# KiCad board amix 68k (r0).kicad_pcb (continued)
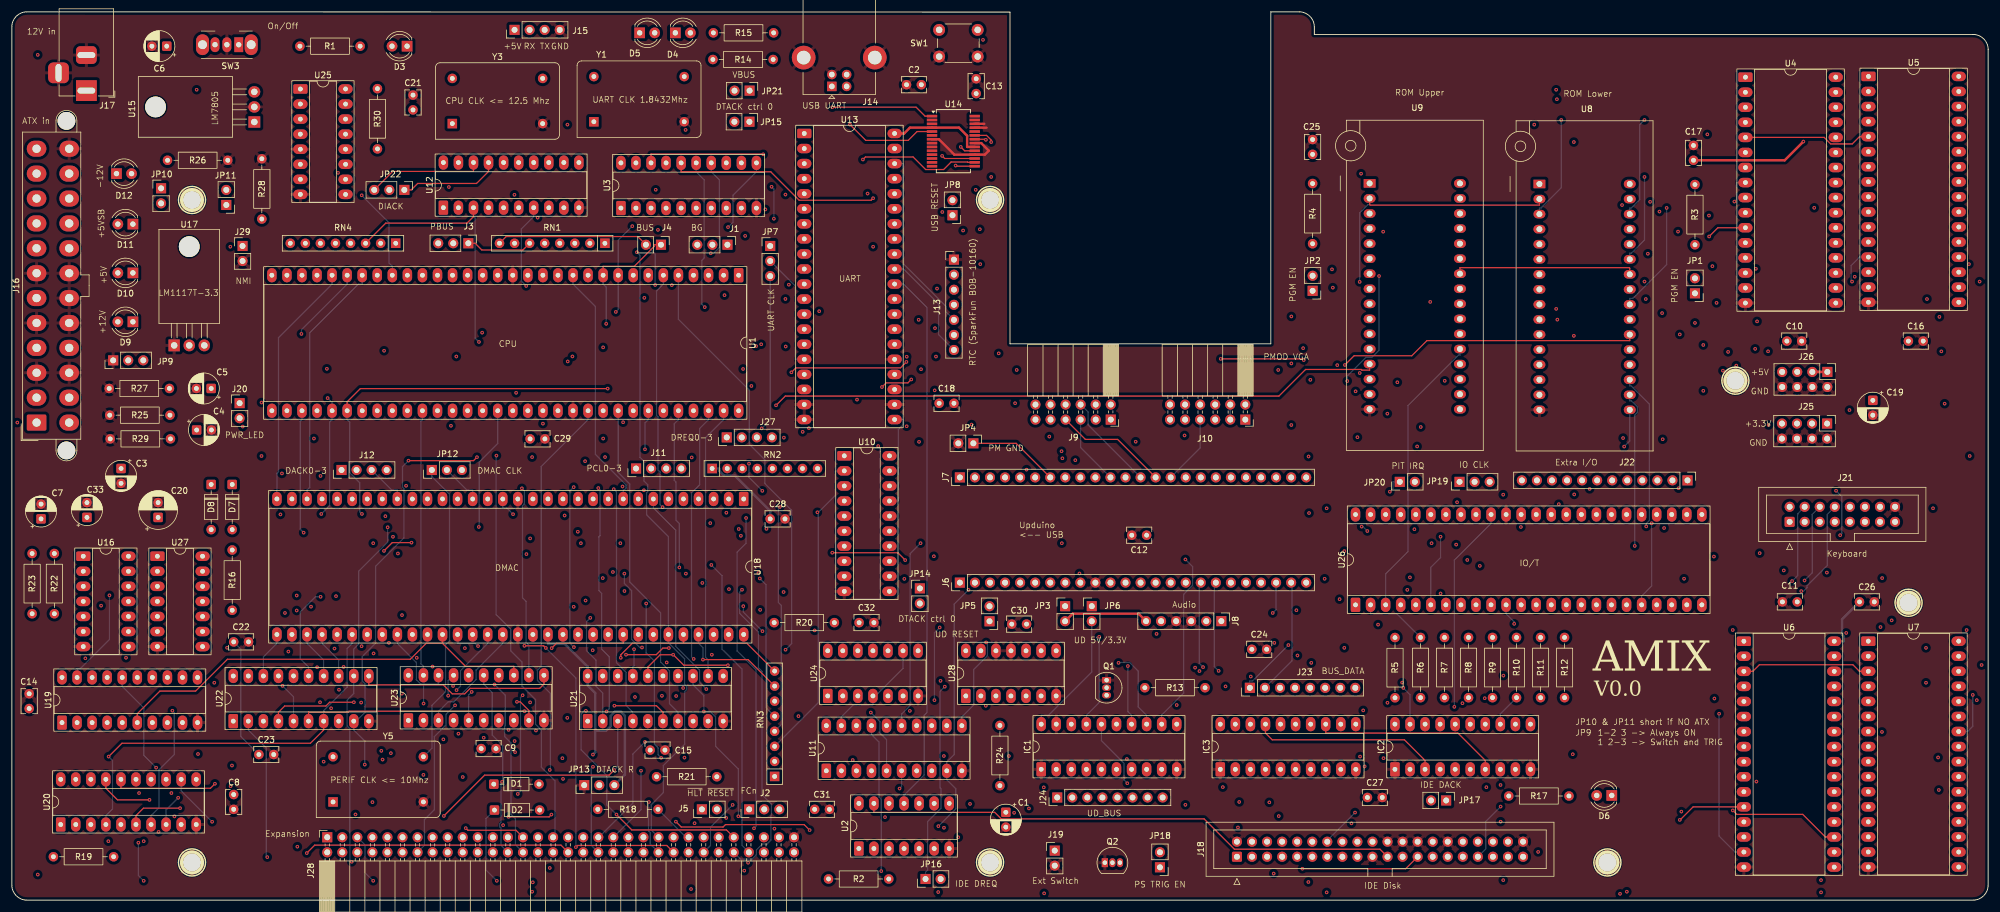
[diagram p0: board, top side]
## Routing (per net, layer and track width the routed paths; a pad name or vN(x,y) marks a point on that pad's centre or on a via; arc(x,y) is an arc through that point) (continued)
  In2.Cu w0.2: RN1.4 88.53,106.93 81.96,106.93 U1.17 ; D1.2 91.05,17.44 113.12,17.44 115.24,15.32 J5.1
~{IACK}: length 19.5
  Top w0.2: U12.18 77.87,122.94 64.25,122.94 JP22.3
~{IDE0_CS}: length 135.1
  In1.Cu w0.2: J18.37 252.38,4.18 v1(251.57,3.37)
  In2.Cu w0.2: v1(251.57,3.37) 251.57,3.38 219.24,3.38 218.96,3.66 173.64,3.66 173.61,3.62 163.88,3.62 162.6,4.9 v1(146.66,4.9)
  Bottom w0.2: U11.17 145.01,27.94 146.28,26.67 146.28,17.42 146.66,17.04 v1(146.66,4.9)
~{IDE_IRQ}: length 317.2
  Top w0.2: RN4.3 63.07,114.22 76.77,114.22 77.87,115.32 U12.3
  In1.Cu w0.2: v1(153.03,77.32) 155.53,74.83 v1(155.53,58.01) ; RN4.3 54.38,116.11 54.38,126.28 54.79,126.69 U25.12 ; v1(125.55,93.47) 125.55,85.36 130.23,80.68 v1(130.23,78.03) ; J18.31 246.03,8.59 246.03,10.49 247.14,11.6 247.14,45.4 245.86,46.67 245.86,56.77 246.12,57.03 246.12,57.63 243.77,59.98 v1(243.64,59.98)
  In2.Cu w0.2: v1(243.64,59.98) 241.05,59.98 240.17,60.87 239.04,60.87 236.29,58.12 155.63,58.12 v1(155.53,58.01) ; v1(130.23,78.03) 130.93,77.32 v1(153.03,77.32) ; v1(78.79,94.17) 79.05,93.92 125.1,93.92 v1(125.55,93.47)
  Bottom w0.2: U12.3 77.87,115.32 78.15,115.04 78.15,94.81 v1(78.79,94.17)
~{IO_R}: length 113
  Top w0.2: v1(217.7,5.3) 235.12,5.3 J18.25
  In1.Cu w0.2: U24.5 147.79,32.95 153.16,32.95 155.17,30.94 U11.13 155.17,27.94 156.44,26.67 156.44,19.07 156.73,18.79 156.73,12.9 157.23,12.39 v1(157.23,12.21)
  In2.Cu w0.2: v1(157.23,12.21) 163.81,12.21 168.82,7.2 180.34,7.2 180.5,7.37 192.52,7.37 193.17,6.72 200.15,6.72 201.57,5.3 v1(217.7,5.3)
~{IO_W}: length 160.2
  In1.Cu w0.2: U24.10 147.79,43.57 150.79,43.57 151.51,42.85 151.51,41.29 156.54,36.27 156.77,36.27 157.26,36.76 157.26,42.16 149.95,49.47 149.95,54.45 150.31,54.81 150.8,54.81 151.16,54.45 151.16,50 158.11,43.04 158.11,31.35 157.71,30.94 U11.12 ; v1(231.38,23.94) 231.38,20.35 233.21,18.52 233.21,8.71 J18.23
  In2.Cu w0.2: v1(231.38,23.94) 229.37,25.95 159.7,25.95 157.71,27.94 U11.12
~{IPL0}: length 15.9
  In1.Cu w0.2: U25.9 56.29,116.11 60.94,111.46 60.94,107.63 61.64,106.93 U1.25
~{IPL1}: length 27.1
  In2.Cu w0.2: v1(59.01,118.91) 57.67,120.25 51.53,120.25 50.17,121.61 U25.7
  Bottom w0.2: v1(59.01,118.91) 63.62,114.3 63.62,107.49 64.18,106.93 U1.24
~{IPL2}: length 30.5
  In1.Cu w0.2: U1.23 66.72,106.93 66.53,106.93 63.62,109.84 63.62,111.26 58.41,116.47 58.41,121.56 57.23,122.74 55.06,122.74 v1(55.02,122.7)
  In2.Cu w0.2: v1(55.02,122.7) 51.62,122.7 50.17,124.15 U25.6
~{IRQ_5}: length 210
  In1.Cu w0.2: v1(122.97,61.47) 122.97,52.57 v1(123.17,52.37) ; v1(53.14,89.64) 55.14,91.65 55.14,107.73 RN4.6 52.05,132.43 50.17,134.31 U25.2 ; v1(93.77,90.88) 93.54,90.65 93.54,81.6 94.17,80.97 94.17,63.44 v1(95.46,62.15)
  In2.Cu w0.2: v1(53.14,89.64) 54.38,90.88 v1(93.77,90.88) ; v1(95.46,62.15) 95.69,61.92 122.52,61.92 v1(122.97,61.47)
  Bottom w0.2: v1(123.17,52.37) 122.76,51.97 122.76,48.41 125.94,45.23 125.94,39.2 126.56,38.58 126.56,17.78 128.11,16.23 128.11,14.25 128.03,14.17 128.03,10.13 127.36,9.46 126.6,9.46 125.59,8.45 125.59,7.63 124.87,6.91 122.93,6.91 J28.56
~{IRQ_6}: length 188.9
  In1.Cu w0.2: v1(60.96,60.22) 58.45,62.72 58.45,65.4 58.54,65.49 58.54,68.58 55.98,71.13 54.87,71.13 52.66,73.34 52.66,89.27 52.54,89.39 52.54,89.89 52.66,90.02 52.66,107.67 RN4.7 50.59,111.9 50.59,131.35 50.17,131.77 U25.3
  In2.Cu w0.2: v1(60.96,60.22) 62.32,60.22 65.81,56.73 117.82,56.73 v1(118,56.55)
  Bottom w0.2: v1(118,56.55) 119.81,54.74 119.81,42.34 123.17,38.98 123.17,9.22 J28.58
~{IRQ_7}: length 30.3
  In1.Cu w0.2: U25.4 50.17,129.23 50.17,128.73 49.23,127.79 47.81,127.79 46.97,126.95 RN4.8
  In2.Cu w0.2: RN4.8 46.51,110.36 J29.1
~{IRQ_PIT}: length 256.5
  Top w0.2: v1(217.93,91.12) 217.73,91.31 v1(203.92,91.31)
  In1.Cu w0.2: v1(217.93,91.12) 217.84,91.03 217.84,75.75 v1(218.74,74.85) ; v1(62.79,92.69) 57.83,97.65 57.83,107.58 RN4.5 53,112.41 53,132.52 U25.1
  In2.Cu w0.2: v1(62.79,92.69) 63.06,92.42 153.78,92.42 155.15,91.06 168.56,91.06 168.75,91.25 170.25,91.25 170.45,91.06 203.66,91.06 v1(203.92,91.31) ; U25.1 49.78,135.74 60.51,135.74 R30.1 ; JP20.2 232.39,74.85 v1(218.74,74.85)
~{IRQ_UART}: length 253.9
  In1.Cu w0.2: U2.10 153.04,17.82 152.08,17.82 148.99,20.91 148.99,25.99 146.41,28.57 146.41,32.24 146.54,32.37 146.54,47.68 144.63,49.59 144.63,118.93 v1(144.35,119.2)
  In2.Cu w0.2: v1(144.35,119.2) 143.27,120.28 128.75,120.28 ; 128.75,120.28 128.75,120.6 128.1,121.25 60.69,121.25 57.79,124.15 U25.11 ; 128.75,120.28 128.75,120.1 128.4,119.75 109.56,119.75 108.86,120.45 108.36,120.45 107.96,120.05 77.06,120.05 75.33,118.32 U12.2
~{IRQX}: length 223.5
  In1.Cu w0.2: v1(156.65,37) 156.65,42.11 149.55,49.22 149.55,55.16 148.8,55.91 147.3,55.91 145.28,57.93 v1(145.28,110.24) ; RN4.2 57.79,115.24 57.79,121.61 U25.10 ; U12.1 73.72,117.75 v1(73.72,120.31)
  In2.Cu w0.2: v1(128.15,120.35) 127.65,120.85 74.26,120.85 v1(73.72,120.31) ; v1(128.54,114.96) 130.67,112.83 142.69,112.83 v1(145.28,110.24) ; Q1.3 178.24,34.57 175.81,37 v1(156.65,37) ; U25.10 57.79,121.61 57.79,121.5 62.47,116.82 U12.1
  Bottom w0.2: v1(128.54,114.96) 128.54,119.96 v1(128.15,120.35)
~{LDS}: length 221.2
  In1.Cu w0.2: v1(108.99,113.08) 108.23,112.32 108.23,110.21 104.96,106.93 104.82,106.93 U1.8 104.82,104.16 91,90.34 91,79.81 92.97,77.84 U18.13 92.97,65.17 v1(93.24,64.89) ; v1(113.46,24.04) 113.46,13.78 111.95,12.26 111.57,12.26 110.47,11.16 110.47,10.31 109.61,9.46 105.15,9.46 J28.41
  In2.Cu w0.2: v1(113.46,24.04) 126.76,24.04 RN3.3 140.4,25.95 142.47,23.88 U11.3 ; v1(108.99,113.08) 118.34,113.08 120.52,115.26 U3.8 ; v1(93.24,64.89) 93.4,64.73 122.7,64.73 123.44,65.47 135.85,65.47 v1(135.89,65.43)
  Bottom w0.2: 136.03,65.43 138.92,68.32 138.92,72.42 U10.2 ; 136.03,65.43 136.03,33.31 RN3.3 ; 136.03,65.43 v1(135.89,65.43)
~{PGM_L}: length 20.3
  In1.Cu w0.2: U8.31 274.22,118.28 274.36,118.42 276.65,118.42 283.92,111.15 R3.1 283.92,104.91
~{PGM_U}: length 33.5
  In1.Cu w0.2: JP2.2 R4.1
  In2.Cu w0.2: R4.1 226.04,117.36 244.28,117.36 244.28,117.87
~{PPI_CS}: length 127.9
  In2.Cu w0.2: v1(153.29,60.22) 153.91,59.6 228.3,59.6 232.95,64.25 232.95,65.69 233.84,66.58 242.92,66.58 U26.41
  Bottom w0.2: U11.15 150.09,31.39 151.53,32.83 151.53,58.46 v1(153.29,60.22)
~{PS_ON}: length 10.8
  In2.Cu w0.2: J16.16 17.53,93.17 JP9.2
~{RAM0_L_CS}: length 265.1
  In1.Cu w0.2: v1(213.62,89.44) 213.62,82.37 v1(215.83,80.16) ; U3.19 105.28,122.88 105.58,122.88 v1(108.61,119.85) ; v1(163.28,113.18) 164.27,112.2 164.27,93.47 168.29,89.44 v1(169.5,89.44) ; U4.22 306.17,113.44 295.64,102.91 295.64,80.85 v1(296.34,80.16)
  In2.Cu w0.2: v1(213.62,89.44) 213.47,89.29 169.65,89.29 v1(169.5,89.44) ; v1(108.61,119.85) 109.81,118.65 128.44,118.65 129.32,117.77 153.2,117.77 154.15,116.81 159.65,116.81 v1(163.28,113.18) ; v1(296.34,80.16) 296.07,80.42 216.1,80.42 v1(215.83,80.16)
~{RAM0_U_CS}: length 274
  Top w0.2: v1(126.75,125.83) 126.69,125.88 107.82,125.88 U3.18
  In1.Cu w0.2: v1(166.47,92.25) 166.47,94.91 165.27,96.11 165.27,115.79 165.98,115.79 167.34,117.15 167.34,119.09 165.98,120.45 165.27,120.45 165.27,121.94 v1(165.2,122.01) ; v1(325.16,98.41) 325.16,111.81 326.92,113.57 U5.22
  In2.Cu w0.2: v1(325.16,98.41) 322.28,95.53 284.92,95.53 283.78,94.4 265.29,94.4 263.89,95.8 263.24,95.8 259.25,91.81 226.15,91.81 225.44,92.52 217.34,92.52 217.11,92.28 ; v1(126.75,125.83) 126.95,125.63 150.31,125.63 151.41,124.53 162.68,124.53 v1(165.2,122.01) ; v1(166.47,92.25) 167.55,92.25 170.39,92.24 170.66,91.97 203.16,91.97 203.27,92.08 203.5,92.32 203.67,92.32 204,92.32 204.34,92.32 204.34,92.32 204.41,92.24 217.07,92.24 ; 217.11,92.28 217.07,92.24 ; 217.11,92.28 217.07,92.24
~{RAM1_L_CS}: length 301.4
  In1.Cu w0.2: v1(171.57,15.47) 171.57,17.8 164.89,24.47 164.89,33.04 164.89,33.04 164.89,43.17 166.19,44.47 166.19,88.83 162.59,92.43 v1(162.59,119.84)
  In2.Cu w0.2: U3.17 110.36,122.88 159.56,122.88 v1(162.59,119.84) ; U6.22 294.27,18.28 292.86,16.87 290.03,16.87 288.7,15.54 281.38,15.54 281.02,15.18 227.03,15.18 226.83,15.38 171.66,15.38 v1(171.57,15.47)
~{RAM1_U_CS}: length 308.1
  Top w0.2: U3.16 112.9,122.88 128.01,122.88 132.81,118.08 144.94,118.08 v1(145.28,118.42)
  In1.Cu w0.2: v1(325.06,18.59) 324.08,19.57 v1(324.08,66.1) ; v1(226.98,78.09) 226.67,78.4 v1(226.67,85.84) ; v1(145.28,118.42) 147.21,116.49 147.21,103.66 148.09,102.78 149.49,102.78 150.41,101.86 150.41,96.96 155.28,92.09 155.28,86.39 v1(155.67,86)
  In2.Cu w0.2: v1(155.67,86) 166.1,86 168.91,83.19 169.69,83.19 172.34,85.84 v1(226.67,85.84) ; v1(325.06,18.59) 326.6,18.59 326.9,18.29 U7.22 ; v1(226.98,78.09) 227.72,77.35 275.99,77.35 279.8,73.53 316.65,73.53 v1(324.08,66.1)
~{RD_L}: length 298.6
  In1.Cu w0.2: v1(263.31,24.61) 263.14,24.78 263.14,41.32 258.35,46.11 258.35,60.07 254.87,63.56 254.09,63.56 253.4,64.24 253.4,66.58 v1(251.57,68.41) 251.57,93.67 257.14,99.23 259.99,99.23 v1(260.51,99.75)
  In2.Cu w0.2: v1(263.31,24.61) 265.68,22.24 293.36,22.24 294.49,23.36 U6.24 ; U8.24 272.17,99.75 v1(260.51,99.75) ; U4.24 295.7,118.52 294.51,117.33 291.75,117.33 291.2,116.78 v1(279.14,116.78) ; U10.19 149.54,72.42 149.59,72.47 160.89,72.47 161.07,72.29 161.07,71.08 163.84,68.3 251.47,68.3 v1(251.57,68.41)
  Bottom w0.2: v1(279.14,116.78) 279.14,107.21 273.45,101.52 272.92,101.52 U8.24
~{RD_U}: length 319.3
  In1.Cu w0.2: 244.28,100.34 U9.24 ; v1(237.05,76.54) 237.05,92.62 244.01,99.58 244.28,99.58 244.28,100.09 ; v1(324.93,24.07) 324.93,66.1 324.55,66.48 324.55,99.91 v1(323.06,101.41) 323.06,114.79 326.92,118.65 U5.24
  In2.Cu w0.2: v1(323.06,101.41) 322.42,102.05 306.06,102.05 303.6,99.59 284.17,99.59 283.69,100.08 275.07,100.08 273.62,101.52 272.22,101.52 271.05,100.35 260.26,100.35 259.37,99.46 244.39,99.46 244.28,99.58 244.28,100.09 ; U9.24 244.28,100.34 ; U7.24 325.63,23.37 v1(324.93,24.07) ; 244.28,100.09 244.28,100.34 ; 244.28,100.09 244.28,100.34 ; U13.21 150.66,81.08 152.52,79.22 172.76,79.22 175.23,76.74 236.85,76.74 v1(237.05,76.54)
  Bottom w0.2: U13.21 150.41,81.08 150.41,80.27 149.54,79.4 149.54,67.34 U10.17
~{RESET}: length 419.7
  In1.Cu w0.2: v1(196.49,32.92) 196.49,28.95 196.5,28.94 ; v1(161.63,16.24) 161.84,16.45 161.84,31.19 159.55,33.48 159.55,51.8 158.46,52.89 158.46,78.54 161.08,81.16 161.08,114.29 159.82,115.54 JP8.1 ; IC1.11 196.5,28.94 ; 196.5,28.94 196.5,28.19 197.96,26.72 v1(197.96,16.08) 206.66,7.39 J18.1 ; J5.2 119.24,15.01 J28.53
  In2.Cu w0.2: D2.2 91.11,15.2 92.12,14.19 100.89,14.19 101.74,15.04 102.24,15.04 103.11,14.17 117.78,14.17 J5.2 122.08,18.46 149.26,18.46 149.9,17.82 155.58,17.82 ; U2.9 155.58,17.82 ; 155.58,17.82 160.04,17.82 v1(161.63,16.24) 161.78,16.08 v1(197.96,16.08) ; v1(243.33,32.61) 196.8,32.61 v1(196.49,32.92) ; U1.18 79.42,106.93 80.46,107.97 87.03,107.97 RN1.5 91.54,112.48 123.26,112.48 123.45,112.67 123.46,112.67 126.36,115.56 128.79,115.56 128.98,115.37 157.34,115.37 157.52,115.54 JP8.1
  Bottom w0.2: v1(243.33,32.61) 243.33,57.37 249.52,63.56 U26.39
~{ROM_L_CS}: length 190.9
  Top w0.2: v1(224.87,90.29) 226.43,91.85 236.16,91.85 238.7,94.4 272.92,94.4 U8.22
  In1.Cu w0.2: v1(155.89,91.71) 155.89,94.99 v1(152.97,97.91)
  In2.Cu w0.2: v1(224.87,90.29) 223.04,92.12 217.51,92.12 216.96,91.57 204.96,91.57 204.87,91.66 204.43,91.66 204.17,91.92 203.67,91.92 203.33,91.57 170.5,91.57 170.42,91.65 168.59,91.65 168.55,91.62 155.97,91.62 v1(155.89,91.71) ; v1(152.97,97.91) 152.8,97.74 119.19,97.74 v1(116.88,100.04)
  Bottom w0.2: v1(116.88,100.04) 116.39,100.54 116.39,107.93 116.78,108.32 116.78,121.54 115.44,122.88 U3.15
~{ROM_U_CS}: length 172.8
  In1.Cu w0.2: v1(241.71,87.62) 241.71,92.95 243.87,95.11 ; v1(163.36,107.3) 163.36,93.78 169.23,87.91 v1(169.23,83.83) ; 243.87,95.11 U9.22 243.87,95.11
  In2.Cu w0.2: v1(117.89,109.13) 130.28,109.13 131.52,107.89 153.08,107.89 154.06,106.91 162.97,106.91 v1(163.36,107.3) ; v1(241.71,87.62) 240.53,86.44 171.84,86.44 v1(169.23,83.83)
  Bottom w0.2: U3.14 117.98,122.88 119.36,121.5 119.36,110.11 118.37,109.13 v1(117.89,109.13)
~{UART_CS}: length 78.7
  In1.Cu w0.2: U11.18 142.47,30.94 141.54,31.87 141.54,45.59 139.21,47.93 138.29,47.93 137,46.63 137,46.2 135.7,44.9 135.14,44.9 134.77,45.28 134.77,79.08 135.17,79.49 135.17,96.32 U13.14
~{UDS}: length 209.9
  In1.Cu w0.2: 143.89,23.64 v1(141.84,23.64) ; 143.89,23.64 143.89,33.44 144.09,33.64 144.09,67.71 141.92,69.88 U10.3 ; 143.89,23.64 144.21,23.32 145.01,23.32 U11.4 ; U3.9 123.06,115.26 117.19,115.26 108.86,106.93 107.36,106.93 U1.7 107.36,85 106.09,83.73 106.09,80.92 103.01,77.85 v1(103.01,69.78)
  In2.Cu w0.2: v1(141.84,23.64) 128.9,23.64 RN3.2 107.7,23.41 v1(106.13,21.83) ; U10.3 138.92,69.88 138.74,70.06 103.29,70.06 v1(103.01,69.78) 102.68,70.12 96.45,70.12 95.51,69.18 U18.12
  Bottom w0.2: v1(106.13,21.83) 106.13,15.28 J28.39
~{VMA}: length 147.7
  Top w0.2: J3.1 78.15,110.82 79.28,109.69 86.21,109.69 RN1.6 ; v1(86.46,42.91) 89.72,42.91 v1(90.07,42.55) ; J28.48 110.47,9.22 95.41,9.22 v1(95.14,8.95)
  In1.Cu w0.2: J3.1 77,109.67 76.88,109.55 ; v1(86.46,42.91) 85.3,42.91 84.22,43.99 84.22,47.34 76.6,54.96 76.6,71.39 77.08,71.87 77.08,76.31 75.69,77.7 75.69,110.25 75.78,110.34 76.09,110.34 76.88,109.55 ; 76.88,109.55 U1.19
  Bottom w0.2: v1(90.07,42.55) 95.14,37.48 v1(95.14,8.95)
~{VPA}: length 34.3
  In1.Cu w0.2: U12.19 75.33,121.07 74.12,119.86 74.12,113.02 J3.3 71.8,110.7 U1.21
  In2.Cu w0.2: RN1.7 83.62,112 73.1,112 J3.3
~{WR_L}: length 281.5
  In1.Cu w0.2: U6.29 308.91,36.06 308.91,44.34 308.41,44.84 v1(308.41,61.57) ; v1(286,129.19) 285.07,128.26 285.07,104.39 284.21,103.53 283.92,103.53 JP1.1 283.92,101.22 280.73,98.03 280.73,93.94 281.33,93.34 281.33,69.67 v1(281.15,69.49)
  In2.Cu w0.2: v1(307.72,69.07) 307.3,69.49 v1(281.15,69.49) 279.45,67.79 162.01,67.79 159.92,69.88 U10.18 ; U4.29 306.17,131.22 304.9,129.95 286.76,129.95 v1(286,129.19)
  Bottom w0.2: v1(308.41,61.57) 308.69,61.84 308.69,68.1 v1(307.72,69.07)
~{WR_U}: length 357.1
  Top w0.2: v1(146.78,86.56) 147.47,87.26 151.14,87.26 v1(151.72,87.84)
  In1.Cu w0.2: v1(146.78,86.56) 146.78,76.4 146.54,76.16 146.54,64.8 U10.16 ; v1(322.89,36.68) 323.6,37.39 323.6,65.73 323.47,65.85 323.47,66.35 323.6,66.48 323.6,99.96 322.43,101.13 322.43,126.86 326.92,131.35 U5.29 ; v1(219.04,87.78) 219.42,88.16 JP2.1 219.42,103.95 219.69,103.95 221,105.26 221,115.96 v1(227.6,122.56)
  In2.Cu w0.2: v1(151.72,87.84) 218.99,87.84 v1(219.04,87.78) ; v1(227.6,122.56) 230.98,125.94 290.03,125.94 291.5,127.41 293.67,127.41 294.94,128.68 305.3,128.68 306.61,129.99 325.56,129.99 326.92,131.35 U5.29 ; U7.29 326.9,36.07 326.29,36.68 v1(322.89,36.68) ; U13.18 135.17,86.16 135.58,86.56 v1(146.78,86.56)
Net-(C1-Pad1): length 174.1
  In1.Cu w0.2: SW1.1 161.56,145.46 161.56,92.8 163.66,90.71 163.66,46.22 162.32,44.88 162.32,20.17 C1.1 ; R2.1 147.96,3.61 U2.3 147.96,10.2 147.29,10.87 v1(147.29,14)
  In2.Cu w0.2: v1(147.29,14) 148.11,14.82 167.67,14.82 C1.1 ; SW1.1 SW1.1
Net-(D1-K): length 85.7
  In1.Cu w0.2: D1.1 81.41,19.46 D2.1
  In2.Cu w0.2: v1(81.81,3.26) 82.15,3.6 129.1,3.6 135.7,10.2 145.42,10.2 145.42,10.2 U2.2
  Bottom w0.2: D2.1 79.97,13.76 79.97,5.1 v1(81.81,3.26)
Net-(D3-A): length 5.4
  In2.Cu w0.2: D3.2 R1.2
Net-(D4-A): length 6.1
  In1.Cu w0.2: D4.2 114.46,145.62 R14.1
Net-(D4-K): length 74
  Top w0.2: U14.23 164.41,129.02 165.2,128.23 v1(165.2,127.89)
  In1.Cu w0.2: v1(113.65,129.94) 113.16,129.94 111.92,131.18 D4.1
  In2.Cu w0.2: v1(165.2,127.89) 165.2,128.23 164.56,128.87 159.67,128.87 159.02,128.22 115.37,128.22 v1(113.65,129.94)
Net-(D5-A): length 10.9
  In2.Cu w0.2: R15.1 117.11,147.55 109.67,147.55 D5.2
Net-(D5-K): length 77.6
  Top w0.2: v1(164.31,128.27) 164.21,128.37 U14.22
  In1.Cu w0.2: v1(164.31,128.27) 164.31,144.64 v1(163.82,145.14)
  In2.Cu w0.2: D5.1 107.1,146.32 107.1,145.94 107.93,145.12 163.8,145.12 v1(163.82,145.14)
Net-(D6-A): length 4.7
  In2.Cu w0.2: R17.1 262.76,17.66 267.34,17.66
Net-(D7-A): length 52.7
  In1.Cu w0.2: D7.2 R16.2
  In2.Cu w0.2: D7.2 33.98,65.69 6.3,65.69 C7.1 ; R16.2 34.85,56.75 29.86,56.75 26.05,52.94 U27.3
Net-(D8-A): length 38
  In1.Cu w0.2: R23.2 9.51,64.57 C33.1
  In2.Cu w0.2: 24.55,62.27 U27.1 ; 24.55,62.27 14.97,62.27 C33.1 ; 24.55,62.27 24.79,62.51 D8.2
Net-(D9-K): length 18.3
  In1.Cu w0.2: R25.1 24.79,83.7 24.79,92 20.42,96.37 D9.1
Net-(D10-K): length 22.1
  In1.Cu w0.2: R27.1 26.58,90.9 21.62,95.86 21.62,103.42 20.42,104.62 D10.1
Net-(D11-K): length 22.1
  In2.Cu w0.2: R28.1 41.31,114.05 D11.1
Net-(D12-A): length 7
  In2.Cu w0.2: D12.2 24.01,122.57 R26.1
Net-(IC2-B0): length 7.8
  In1.Cu w0.2: IC2.18 238.39,31.19 235.44,34.14 R5.1
Net-(IC2-B1): length 6
  In1.Cu w0.2: R6.1 240.59,31.19 240.93,31.19 IC2.17
Net-(IC2-B2): length 5.2
  In1.Cu w0.2: R7.1 241.67,32.99 243.47,31.19 IC2.16
Net-(IC2-B3): length 4.6
  In1.Cu w0.2: R8.1 246.01,33.87 IC2.15
Net-(IC2-B4): length 5
  In1.Cu w0.2: R9.1 248.55,32.94 IC2.14
Net-(IC2-B5): length 5.6
  Bottom w0.2: IC2.13 251.09,31.43 R10.1
Net-(IC2-B6): length 7
  In1.Cu w0.2: IC2.12 253.63,31.19 254.9,31.19 R11.1
Net-(IC2-B7): length 8.5
  In1.Cu w0.2: R12.1 258.95,31.19 256.17,31.19 IC2.11
Net-(J14-VBUS): length 14.2
  In2.Cu w0.2: JP21.1 136.51,136.57 137.22,137.28 J14.1
Net-(J18-Pin_21): length 91.2
  Top w0.2: U2.13 145.42,14.82 165.79,14.82 166.89,13.72 201.1,13.72 206.23,8.59 230.79,8.59 J18.21
Net-(J18-Pin_29): length 10.4
  In1.Cu w0.2: JP17.1 241.94,15.67 241.01,14.74 241.01,8.53 J18.29
Net-(J19-Pin_1): length 369.7
  In1.Cu w0.2: v1(4.37,142.61) 1.67,139.91 1.67,123.31 1.2,122.84 1.2,89.06 1.2,88.72 1.67,88.25 1.67,50.07 R23.1 ; J19.1 175.92,7.21 175.63,7.21 174.14,5.71 v1(174.14,1.14) ; v1(21.34,9.69) 19.5,9.69 17.2,11.98 17.2,39.64 12.62,44.22 11.03,44.22 7.17,48.07 R22.2
  In2.Cu w0.2: JP18.2 193.39,8.36 J19.1 ; v1(4.37,142.61) 8.36,142.61 10.21,140.75 36.25,140.75 38.27,142.77 SW3.1 ; v1(22.24,3.26) 24.77,0.74 173.73,0.74 v1(174.14,1.14) ; R23.1 R22.2
  Bottom w0.2: v1(21.34,9.69) 21.34,4.16 v1(22.24,3.26)
Net-(J20-Pin_1): length 14.2
  In2.Cu w0.2: R29.1 32.77,83.84 J20.1
Net-(J22-Pin_1): length 45
  In1.Cu w0.2: J22.1 282.66,69.67 281.43,68.44 281.43,63.25 282.08,62.6 v1(282.08,54.23)
  In2.Cu w0.2: U26.13 257.14,51.32 260.04,54.23 v1(282.08,54.23)
Net-(J22-Pin_2): length 37.8
  In1.Cu w0.2: v1(263.55,68.45) 263.55,55.19 259.68,51.32 U26.14
  In2.Cu w0.2: J22.2 277.75,68.45 v1(263.55,68.45)
Net-(J22-Pin_3): length 33.2
  In1.Cu w0.2: v1(266.15,69.38) 266.15,55.25 262.22,51.32 U26.15
  In2.Cu w0.2: J22.3 276.14,69.38 v1(266.15,69.38)
Net-(J22-Pin_4): length 25.3
  In1.Cu w0.2: J22.4 273.65,69.43 273.65,60.5 264.76,51.61 U26.16
Net-(J22-Pin_5): length 5.8
  In1.Cu w0.2: U26.30 272.38,70.7 J22.5
Net-(J22-Pin_6): length 5.8
  In1.Cu w0.2: J22.6 269.96,66.68 269.84,66.56 U26.31
Net-(J22-Pin_7): length 5.8
  In1.Cu w0.2: U26.32 267.3,70.7 J22.7
Net-(J22-Pin_8): length 42.1
  In1.Cu w0.2: J22.8 264.76,70.7 U26.33
  In2.Cu w0.2: J22.8 263.26,69.2 249.03,69.2 248.74,68.9 v1(232.45,68.9)
  Bottom w0.2: v1(232.45,68.9) 232.98,69.44 232.98,70.57 JP20.1
Net-(J22-Pin_9): length 5.8
  In1.Cu w0.2: U26.34 262.22,66.56 262.34,66.68 J22.9
Net-(J22-Pin_10): length 5.8
  In1.Cu w0.2: U26.35 259.68,70.7 J22.10
Net-(J22-Pin_11): length 5.8
  In1.Cu w0.2: J22.11 257.26,66.68 257.14,66.56 U26.36
Net-(J22-Pin_12): length 5.8
  In1.Cu w0.2: J22.12 254.6,70.7 U26.37
Net-(JP7-C): length 19.8
  Bottom w0.2: U13.16 132.17,91.24 132.17,103.58 127.93,107.82 JP7.2
Net-(JP8-B): length 12.2
  Top w0.2: v1(160.07,127.07) 160.73,126.42 U14.19
  In1.Cu w0.2: JP8.2 160.07,119.49 v1(160.07,127.07)
Net-(JP9-B): length 83.5
  In1.Cu w0.2: JP9.3 22.17,72.46 18.92,69.2 17.95,69.2 17.3,69.85 17.3,76.97 17.69,77.36 17.69,78.28 13.75,82.22 8.69,82.22 7.72,81.25 7.72,79.89 8.69,78.92 9.07,78.92 13.82,74.17 13.82,48.13 13.55,47.86 U16.5
Net-(JP10-B): length 41.5
  In1.Cu w0.2: C4.1 29.92,80.57 U17.2 28.67,93.59 28.67,94.84 25.17,98.34 JP10.2
Net-(JP11-B): length 38.3
  In1.Cu w0.2: JP11.2 31.17,124.82 v1(31.17,136.72) 31.17,139.02 C6.1
  In2.Cu w0.2: v1(31.17,136.72) 39.24,136.72 39.6,136.36 U15.3
Net-(JP12-C): length 7.3
  Bottom w0.2: U18.19 77.73,69.18 76.77,69.18 JP12.2
Net-(JP13-C): length 4.2
  In1.Cu w0.2: R18.1 99.09,15.57 JP13.2
Net-(JP14-A): length 10.1
  In1.Cu w0.2: U10.14 149.54,59.72 149.54,57.37 153.17,53.75 JP14.1
Net-(JP15-A): length 7.5
  In1.Cu w0.2: U3.12 123.06,125.88 124.42,127.24 JP15.1
Net-(JP16-B): length 16.9
  In1.Cu w0.2: JP16.2 154.31,5.93 154.31,9.45 148.94,14.82 147.96,14.82 U2.12
Net-(JP18-A): length 7.1
  In2.Cu w0.2: JP18.1 192.52,5.54 191.74,6.32 Q2.3
Net-(JP19-C): length 5.6
  In1.Cu w0.2: U26.40 246.98,70.34 JP19.2
Net-(JP22-C): length 56.9
  In1.Cu w0.2: U18.20 75.19,69.18 74.73,69.64 74.73,78.52 73.07,80.18 73.07,87.05 68.15,91.97 68.15,115.34 JP22.2
Net-(Q1-B): length 6.4
  In2.Cu w0.2: Q1.2 R13.2
Net-(Q2-B): length 25
  In1.Cu w0.2: Q2.2 185.65,7.37 181.81,11.21 174.78,11.21 R24.2
Net-(U2-Pad1): length 9.7
  In2.Cu w0.2: U2.4 150.5,7.2 144.38,7.2 U2.1
Net-(U13-RCLK): length 18.2
  In1.Cu w0.2: U13.9 132.17,109.02 132.17,93.78 U13.15
Net-(U14-3V3OUT): length 19.1
  Top w0.2: v1(156.92,125.56) 157.36,125.12 U14.17
  In1.Cu w0.2: C2.2 153.42,129.06 v1(156.92,125.56)
Net-(U16A-C): length 13.6
  In2.Cu w0.2: U27.2 23.05,55.48 21.78,54.21 14.82,54.21 13.55,52.94 U16.3
Net-(U16A-D): length 13.2
  In1.Cu w0.2: U16.2 10.55,55.48 10.55,45.32 U16.6
Net-(U16A-~{S}): length 14.6
  In2.Cu w0.2: U27.6 23.05,45.32 21.78,46.59 17.3,46.59 13.55,50.33 13.55,50.4 U16.4
Net-(U18-~{DBEN}): length 158.9
  In1.Cu w0.2: v1(120.96,52.47) 120.91,52.42 U18.63 ; U20.19 10.78,21.88 9.86,22.81 9.86,34.92 11,36.07 U19.19
  In2.Cu w0.2: U18.63 120.91,46.32 121.41,46.82 R20.1 ; v1(16.46,51.42) 16.6,51.56 43.71,51.56 47.56,55.41 100.35,55.41 101.93,53.82 114.84,53.82 116.19,52.47 v1(120.96,52.47)
  Bottom w0.2: v1(16.46,51.42) 16.46,43.97 11.56,39.07 11,39.07 U19.19
Net-(U18-~{DDIR}): length 180.5
  In1.Cu w0.2: 9.14,12.76 9.38,13 9.38,29.03 U19.1 ; 9.14,12.76 9.14,12.42 14.24,7.32 R19.1 ; 9.14,12.76 U20.1 ; v1(123.55,4.97) 123.55,6.63 123.84,6.92 124.8,6.92 125.47,7.59 125.47,8.55 124.8,9.22 124.01,9.22 123.15,10.08 123.15,43.02 123.45,43.32 U18.64
  In2.Cu w0.2: R19.1 18.62,8.77 33.27,8.77 37.22,4.81 123.34,4.81 123.5,4.97 v1(123.55,4.97)
Net-(U18-~{HIBYTE}): length 48.9
  In1.Cu w0.2: U18.62 118.37,43.32 118.08,43.02 v1(118.08,41.41) ; 108.39,28.65 108.84,28.2 108.84,20.9 R21.1 ; 108.39,28.65 108.39,38.35 110.15,40.1 v1(110.47,40.1) ; 108.39,28.65 101.8,28.65 100.94,29.51 100.94,35.05 99.67,36.32 U21.19
  In2.Cu w0.2: v1(118.08,41.41) 116.55,41.41 115.82,40.68 115.82,40.6 115.32,40.1 110.47,40.1 v1(110.47,40.1)
Net-(U22-LE): length 141.1
  Top w0.2: U23.11 89.75,36.44 89.04,35.73 77.31,35.73 76.39,34.8 74.29,34.8 72.78,36.32 60.21,36.32 U22.11
  In1.Cu w0.2: v1(87.87,3) 87.54,3.34 87.54,26.72 89.01,28.19 89.01,28.91 88.61,29.31 88.61,35.3 89.75,36.44 U23.11
  In2.Cu w0.2: v1(87.87,3) 135.63,3 138.17,5.54 153.92,5.54 155.58,7.2 U2.6
Net-(U27-Pad4): length 5.5
  In1.Cu w0.2: U27.5 26.05,47.86 26.05,50.4 U27.4
Net-(U28A-Q): length 37
  In2.Cu w0.2: U28.5 171.08,32.95 171.58,32.95 172.52,33.89 172.52,35.31 173.16,35.95 174.1,35.95 175.06,34.99 175.06,33.59 175.7,32.95 176.62,32.95 177.37,33.7 177.37,33.7 199.14,33.7 R13.1

## Copper pours and planes (outline as drawn; the poured copper is in the pictures)
GND on Top, Bottom, In1.Cu, In2.Cu: -0.08,149.82 168.42,149.82 168.42,93.82 212.42,93.82 212.42,149.82 220.17,149.82 220.17,146.07 333.42,146.07 333.42,-0.43 -0.08,0.07

## Text on the board
F.Silkscreen: ATX in | 12V in | LM1117T-3.3 | PWR_LED | NMI | Expansion | On/Off | DACK0-3 | PERIF CLK <= 10Mhz | DIACK | PBUS | CPU CLK <= 12.5 Mhz | DMAC CLK | DMAC | CPU | +5V | RX TX | GND | PCL0-3 | UART CLK 1.8432Mhz | DTACK R | BUS | DREQ0-3 | ~{HLT} ~{RESET} | BG | DTACK ctrl 0 | VBUS | FCn | USB UART | UART | UD RESET | IDE DREQ | PM GND | Upduino / <-- USB | Ext Switch | UD 5V/3.3V | UD_BUS | PS TRIG EN | Audio | PMOD VGA | BUS_DATA | IDE Disk | PIT IRQ | ROM Upper | IDE DACK | IO CLK | IO/T | Extra I/O | ROM Lower | JP10 & JP11 short if NO ATX | JP9	1-2 3 -> Always ON / 1 2-3 -> Switch and TRIG | +3.3V / GND | +5V / GND | Keyboard | -12V | +5VSB | +12V | LM7805 | UART CLK | USB RESET | RTC (SparkFun BOB-10160) | PGM EN | V0.0 | AMIX
